# Altium PCB pcb solar tracker.PcbDoc (part 2 of 2)
Units mm, origin at the board's own origin, x right, y up, seen from the top; angles counter-clockwise.
Board outline 144.13 x 101.6 mm, 2 copper layers (Top Layer, Bottom Layer); 121 components, 66 nets, 351 pads, 602 vias.
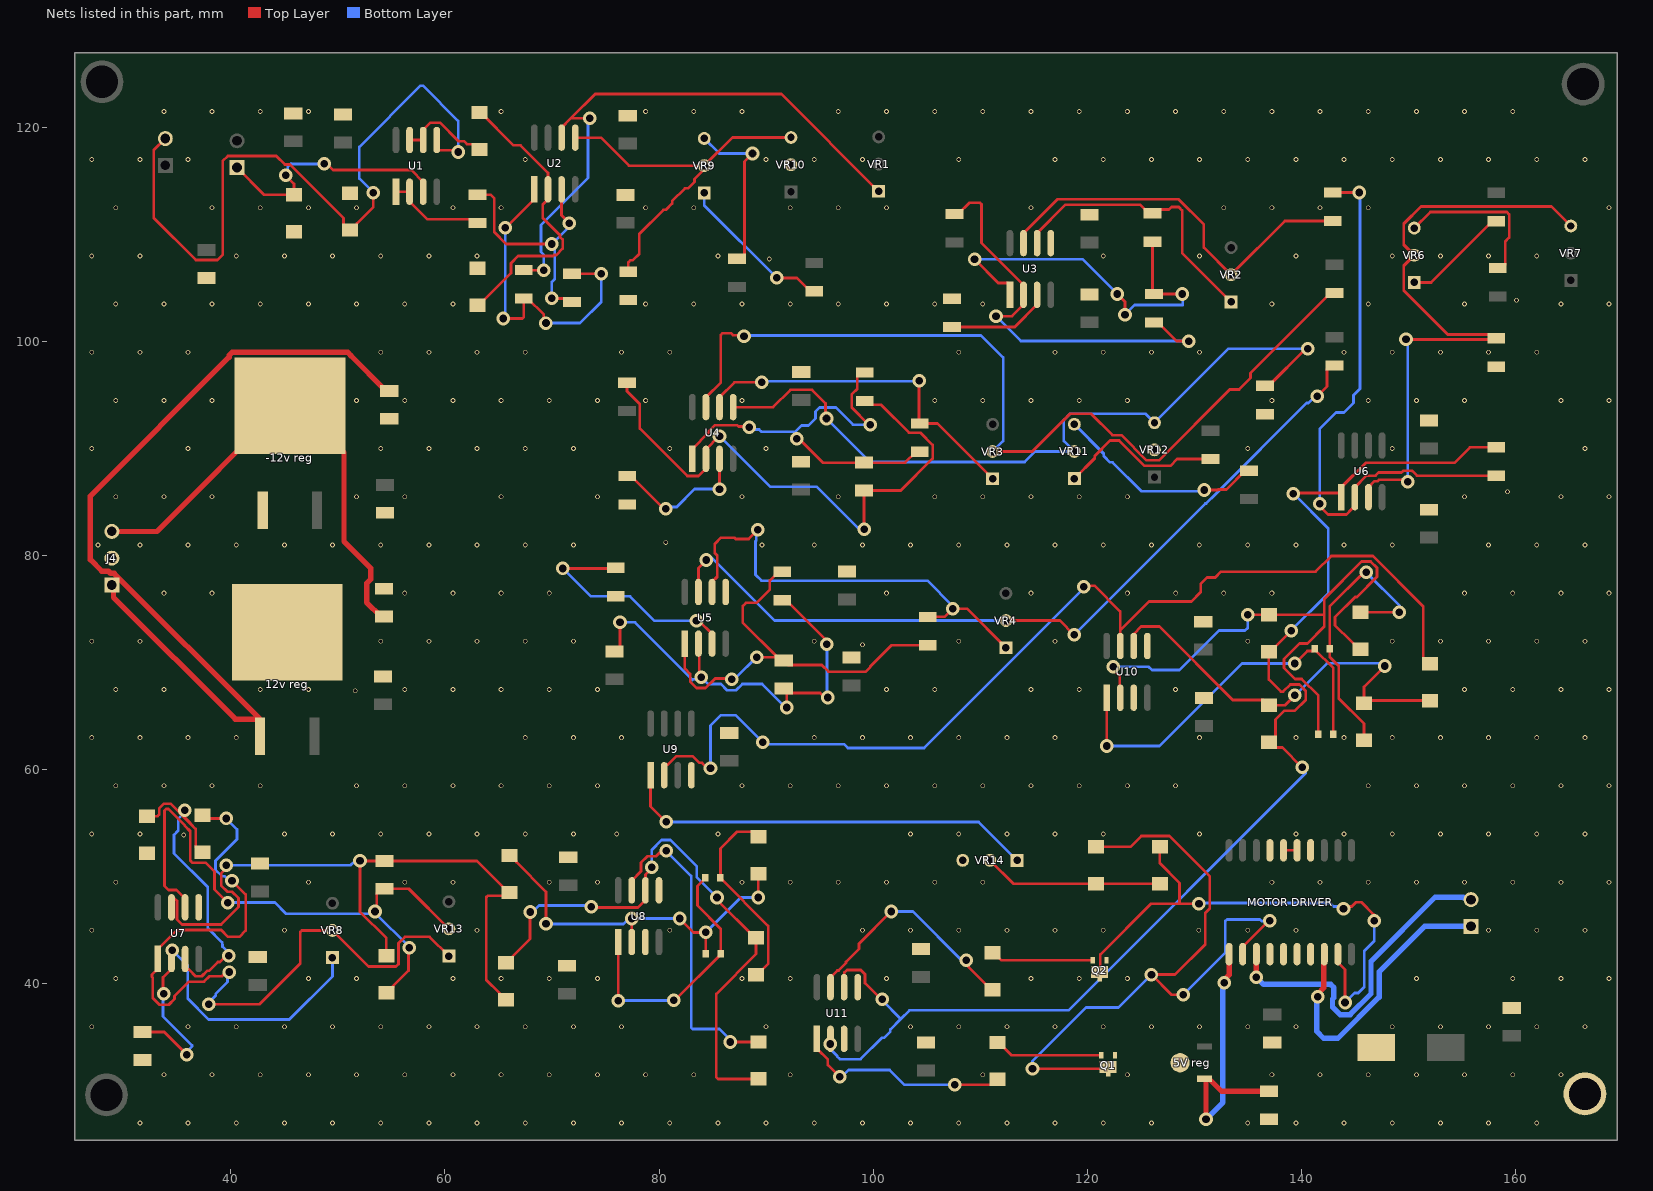
[diagram p2: the nets of this part, all layers, seen from the top]

## Via types
v1: diameter 0.45, hole 0.3, Top Layer to Bottom Layer, tented both sides, 454 vias
v2: diameter 1.27, hole 0.711, Top Layer to Bottom Layer, tented both sides, 145 vias
v3: diameter 1.27, hole 0.711, Top Layer to Bottom Layer, 3 vias

## Nets (pads, with @x,y where several pads share a name; then routed paths per layer and width w, separated by ;. In a path a pad name is that pad's centre, name@x,y a point inside that pad or via, vN(x,y) a via of type N, cw(c..) or ccw(c..) an arc to the next point about the centre after c; other vN are vias at no path point) (continued)
GND: "5V reg.2" "12v reg.4" "-12v reg.1" "C29 0.33uF.1" "C30 2.2uF.2" "C31 1uF.2" "C32 0.1uF.1" "C 100uF.1" "MOTOR DRIVER.4" "MOTOR DRIVER.5" "MOTOR DRIVER.6" "MOTOR DRIVER.7" "MOTOR DRIVER.14" "MOTOR DRIVER.15" "MOTOR DRIVER.16" "MOTOR DRIVER.17" C1.2 C2.2 C3.2 C4.2 C5.2 C6.2 C7.2 C8.2 C9.2 C10.2 C14.2 C15.2 C16.2 C17.2 C18.2 C19.2 C20.1 C22.2 C23.2 C24.2 C25.2 C26.2 C27.2 C28.1 C34.1 C35.1 J4.2 pad.7 Q1.2 Q2.2 R1.2 R2.1 R5.2 R8.2 R12.1 R13.1 R22.1 R25.1 R37.1 R40.1 U3.5 U5.5 U7.5 U8.3 U8.5 U9.4 U10.3 U10.5 U11.3 U11.5 VR10.2 VR12.2 VR14.3 | length 1.3
  Top Layer w0.254: 138.337,52.475 139.607,52.475
  other v1: 31.5,27 36,27 40.5,27 45,27 49.5,27 54,27 58.5,27 63,27 67.5,27 72,27 76.5,27 81,27 85.5,27 90,27 94.5,27 99,27 103.5,27 108,27 112.5,27 117,27 121.5,27 126,27 135,27 139.5,27 144,27 148.5,27 153,27 157.5,27 162,27 33.75,31.5 38.25,31.5 42.75,31.5 47.25,31.5 51.75,31.5 56.25,31.5 60.75,31.5 65.25,31.5 69.75,31.5 74.25,31.5 78.75,31.5 83.25,31.5 92.25,31.5 110.25,31.5 123.75,31.5 137.25,31.5 141.75,31.5 146.25,31.5 150.75,31.5 155.25,31.5 159.75,31.5 164.25,31.5 27,36 36,36 40.5,36 45,36 49.5,36 54,36 58.5,36 63,36 67.5,36 72,36 76.5,36 90,36 103.5,36 108,36 112.5,36 117,36 121.5,36 126,36 130.5,36 135,36 139.5,36 148.5,36 153,36 157.5,36 162,36 166.5,36 29.25,40.5 47.25,40.5 51.75,40.5 60.75,40.5 65.25,40.5 69.75,40.5 74.25,40.5 87.75,40.5 92.25,40.5 101.25,40.5 114.75,40.5 119.25,40.5 123.75,40.5 150.75,40.5 159.75,40.5 164.25,40.5 168.75,40.5 27,45 45,45 63,45 81,45 99,45 103.5,45 108,45 112.5,45 117,45 121.5,45 130.419,45 135,45 139.5,45 157.5,45 162,45 166.5,45 29.25,49.5 47.25,49.5 56.25,49.5 60.75,49.5 69.75,49.5 74.25,49.5 87.75,49.5 92.25,49.5 96.75,49.5 101.25,49.5 105.75,49.5 110.25,49.5 137.25,49.5 141.75,49.5 146.25,49.5 150.75,49.5 155.25,49.5 159.75,49.5 164.25,49.5 168.75,49.5 35.602,53.909 27,54 31.5,54 45,54 49.5,54 54,54 58.5,54 63,54 67.5,54 72,54 76.044,54 85.5,54 103.5,54 108,54 112.5,54 117,54 121.5,54 130.5,54 139.5,54 144,54 148.5,54 153,54 157.5,54 162,54 166.5,54 29.25,58.5 33.75,58.5 38.25,58.5 42.75,58.5 51.75,58.5 56.25,58.5 60.75,58.5 65.25,58.5 69.75,58.5 74.25,58.5 87.75,58.5 92.25,58.5 96.75,58.5 101.25,58.5 105.75,58.5 110.25,58.5 114.75,58.5 119.25,58.5 123.75,58.5 128.25,58.5 146.25,58.5 150.75,58.5 155.25,58.5 159.75,58.5 164.25,58.5 168.75,58.5 27,63 31.5,63 36,63 40.5,63 67.5,63 72,63 76.5,63 94.5,63 99,63 103.5,63 108,63 112.5,63 117,63 130.5,63 139.5,63 144,63 148.5,63 153,63 157.5,63 162,63 166.5,63 51.627,67.377 29.25,67.5 33.75,67.5 42.75,67.5 47.25,67.5 56.25,67.5 60.75,67.5 65.25,67.5 69.75,67.5 74.25,67.5 101.25,67.5 105.75,67.5 114.75,67.5 119.25,67.495 128.25,67.495 155.25,67.5 159.75,67.5 164.25,67.5 168.75,67.5 99.001,71.684 27,72 31.5,72 54,72 58.5,72 63,72 67.5,72 72,72 94.5,72 108,72 117,72 135,72 148.5,72 153,72 157.5,72 162,72 166.5,72 33.75,76.5 38.25,76.5 56.25,76.5 60.75,76.5 65.25,76.5 69.75,76.5 101.25,76.5 114.75,76.5 123.75,76.5 128.274,76.5 132.75,76.5 137.25,76.5 155.25,76.5 159.75,76.5 164.25,76.5 168.75,76.5 27.598,81 31.5,81 36,81 40.5,81 45,81 49.5,81 54,81 58.5,81 63,81 67.5,81 72,81 89.626,81 94.5,81 99,81 103.5,81 108,81 112.5,81 117,81 121.5,81 126,81 130.461,81 135,81 139.5,81 144,81 148.5,81 157.5,81 162,81 166.5,81 80.63,81.245 29.25,85.5 33.75,85.5 38.25,85.5 51.75,85.5 56.25,85.5 65.25,85.5 74.25,85.5 87.75,85.5 96.75,85.5 105.75,85.5 110.25,85.5 114.75,85.5 119.25,85.5 123.75,85.5 155.25,85.5 164.25,85.5 168.75,85.5 159.269,85.981 27,90 36,90 54,90 58.5,90 63,90 67.5,90 72,90 81,90 90,90 135,90 148.5,90 166.5,90 29.25,94.5 33.75,94.5 38.25,94.5 51.75,94.5 56.25,94.5 60.75,94.5 65.25,94.5 69.75,94.5 74.25,94.5 78.75,94.5 87.75,94.5 105.75,94.5 110.25,94.5 114.75,94.5 119.25,94.5 123.75,94.5 137.25,94.5 146.25,94.5 150.75,94.5 155.25,94.5 164.25,94.5 168.75,94.5 27,99 31.5,99 36,99 54,99 58.5,99 63,99 67.5,99 76.5,99 81,99 108,99 117,99 121.5,99 126,99 130.5,99 144,99 148.5,99 153,99 157.5,99 162,99 29.25,103.5 33.75,103.5 38.25,103.5 42.75,103.5 47.25,103.5 51.75,103.5 56.25,103.5 60.75,103.5 78.75,103.5 83.25,103.5 87.75,103.5 92.25,103.5 96.75,103.5 101.25,103.5 105.75,103.5 110.25,103.5 137.25,103.5 146.25,103.5 155.25,103.5 164.25,103.5 168.75,103.5 160.106,103.856 90.294,107.706 27,108 31.5,108 40.5,108 45,108 49.5,108 54,108 58.5,108 63,108 85.5,108 121.5,108 130.5,108 139.5,108 148.5,108 153,108 157.5,108 162,108 29.25,112.5 38.25,112.5 42.75,112.5 47.25,112.5 51.75,112.5 60.75,112.5 65.25,112.5 78.75,112.5 83.25,112.5 92.25,112.5 96.75,112.5 101.25,112.5 114.75,112.5 132.75,112.5 137.25,112.5 141.75,112.5 146.25,112.5 168.75,112.5 27,117 31.5,117 36,117 67.5,117 90,117 94.5,117 99,117 108,117 117,117 121.5,117 126,117 130.5,117 135,117 139.5,117 144,117 148.5,117 153,117 157.5,117 162,117 166.5,117 33.75,121.5 38.25,121.5 42.75,121.5 47.25,121.5 65.25,121.5 78.75,121.5 83.25,121.5 87.75,121.5 96.75,121.5 101.25,121.5 105.75,121.5 110.25,121.5 114.75,121.5 119.25,121.5 123.75,121.5 128.25,121.5 132.75,121.5 137.25,121.5 141.75,121.5 146.25,121.5 150.75,121.5 155.25,121.5 159.75,121.5
"KD OUT": R20.1 U5.7 VR4.2 | length 76.4
  Top Layer w0.254: U5.7@83.683,76.612 83.683,78.859 v2(84.419,79.596) ; VR4.2@112.406,73.941 117.441,73.941 v2(118.774,72.607) ; v2(141.49,94.898) 142.393,95.801 142.393,97.408 142.744,97.759 R20.1@143.095,97.759
  Bottom Layer w0.254: v2(84.419,79.596) 84.63,79.596 84.884,79.85 90.793,73.941 VR4.2@112.406,73.941 ; v2(118.774,72.607) 131.035,84.869 131.115,84.869 131.962,85.716 131.962,85.727 140.503,94.268 140.683,94.268 141.313,94.898 v2(141.49,94.898)
"KI OUT": R19.1 U4.7 VR3.2 | length 85.9
  Top Layer w0.254: U4.7@84.381,93.878 84.381,94.802 85.773,96.194 85.773,100.618 85.947,100.792 86.724,100.792 86.918,100.598 87.821,100.598 v2(87.934,100.484) ; VR3.2@111.164,89.731 114.866,89.731 118.391,93.257 120.366,93.257 122.363,91.26 123.195,91.26 125.551,88.904 126.693,88.904 133.313,95.525 134.191,95.525 135.256,96.59 135.256,97.049 142.744,104.537 R19.1@143.095,104.537
  Bottom Layer w0.254: v2(87.934,100.484) 88.021,100.571 110.088,100.571 112.145,98.514 112.145,90.712 VR3.2@111.164,89.731
"KP OUT": R15.1 U3.7 VR2.2 | length 37.4
  Top Layer w0.254: U3.7@114.051,109.201 114.051,110.124 117.223,113.296 128.541,113.296 130.899,110.939 130.899,108.782 VR2.2@133.438,106.243 138.467,111.272 R15.1@142.946,111.272
"Net5V reg_1": "5V reg.1" "MOTOR DRIVER.1" C35.2 | length 26.7
  Top Layer w0.254: v2(132.795,40.108) v2@132.795,40.376
  Top Layer w0.5: v2(131.095,27.338) 131.095,31.017 130.979,31.133 131.394,31.133 132.567,29.96 C35.2@136.989,29.96 ; v2@132.795,40.376 133.257,40.838 133.257,42.775
  Bottom Layer w0.5: v2(131.095,27.338) 132.672,28.915 132.672,39.985 v2(132.795,40.108)
"Net12v reg_1": "12v reg.1" "C29 0.33uF.2" J4.1 | length 84
  Top Layer w0.5: J4.1@28.882,77.266 29.041,77.108 29.041,76.109 40.414,64.735 42.371,64.735 ; 42.719,63.112 42.719,64.387 42.673,64.434 42.673,64.77 29.095,78.347 28.773,78.347 28.558,78.562 27.936,78.562 26.869,79.629 26.869,85.575 39.841,98.547 39.841,98.721 40.136,99.016 50.903,99.016 51.199,98.721 51.199,98.685 54.497,95.386 54.798,95.386
"Net-12v reg_4": "-12v reg.4" "C30 2.2uF.1" J4.3 | length 45.7
  Top Layer w0.5: J4.3@28.882,82.266 33.099,82.266 44.845,94.012 45.52,94.012 46.195,94.012 50.568,89.639 50.568,81.329 53.076,78.82 53.076,77.802 52.685,77.412 52.685,75.641 54.01,74.317 54.31,74.317
"NetC11 _1": C11.1 R10.2 R11.1 U4.2 | length 54.5
  Top Layer w0.254: R10.2@77.001,96.165 77.001,95.359 78.211,94.149 78.211,91.867 82.642,87.436 83.689,87.436 84.381,88.128 U4.2@84.381,89.051 84.381,89.94 85.616,91.175 v2(85.651,91.175) ; v2(99.154,82.454) C11.1@99.154,86.093 102.583,86.093 105.558,89.068 105.558,90.34 104.401,91.497 103.361,91.497 100.756,94.102 99.576,94.102 R11.1@99.225,94.453
  Bottom Layer w0.254: v2(85.651,91.175) 90.378,86.448 94.711,86.448 98.824,82.335 99.034,82.335 v2(99.154,82.454)
"NetC11 _2": C11.2 R11.2 R16.1 U4.1 | length 40.6
  Top Layer w0.254: U4.1@83.111,89.051 83.111,89.975 84.635,91.499 84.635,91.596 85.23,92.191 87.291,92.191 87.418,92.064 88.36,92.064 v2(88.434,91.99) ; v2(92.869,90.921) 93.068,90.921 95.295,88.695 95.646,88.695 C11.2@99.154,88.695 102.988,88.695 103.997,89.704 R16.1@104.348,89.704 ; R11.2@99.225,97.105 98.874,97.105 98.523,96.754 98.523,95.597 98.015,95.089 98.015,93.817 99.587,92.245 v2(99.715,92.245)
  Bottom Layer w0.254: v2(88.434,91.99) 88.628,91.796 89.357,91.796 89.577,91.576 92.729,91.576 ; v2(92.869,90.921) 92.729,91.061 92.729,91.576 ; v2(99.715,92.245) 98.128,92.245 96.537,93.835 94.989,93.835 94.611,93.458 94.611,92.82 93.956,92.165 93.318,92.165 92.746,91.593 92.729,91.576
"NetC12 _2": C12.2 C13.1 R14.1 U5.2 | length 42.5
  Top Layer w0.254: C12.2@75.844,71.058 75.928,71.058 76.353,71.483 v2(76.353,73.777) ; U5.2@83.683,71.785 83.753,71.714 v2@83.753,68.825 ; R14.1@91.517,75.847 91.869,75.847 95.587,72.128 95.587,71.82 v2(95.685,71.722) ; C13.1@91.656,67.602 C13.1@91.932,67.326 ; v2(91.932,65.82) C13.1@91.932,67.326 ; v2(95.751,66.751) 95.476,66.751 95.049,67.177 92.081,67.177 C13.1@91.932,67.326
  Bottom Layer w0.254: v2(76.353,73.777) 77.745,73.777 83.13,68.392 83.193,68.455 83.734,68.455 v2(83.929,68.65) 84.573,68.005 85.778,68.005 86.357,67.426 87.199,67.426 87.779,68.005 89.638,68.005 91.823,65.82 v2(91.932,65.82) ; v2(95.685,71.722) 95.685,66.849 95.751,66.783 v2(95.751,66.751)
"NetC13 _2": C13.2 R14.2 R18.1 U5.1 | length 40.8
  Top Layer w0.254: U5.1@82.413,71.785 82.413,69.447 82.913,68.947 82.913,68.229 83.508,67.634 84.349,67.634 85.251,68.536 86.684,68.536 v3(86.778,68.442) ; v3(89.129,70.511) C13.2@91.048,70.511 ; R14.2@91.517,78.499 91.166,78.499 90.355,77.688 90.355,76.837 89.114,75.596 88.132,75.596 87.829,75.293 87.829,73.729 C13.2@91.048,70.511 ; R18.1@105.115,71.63 101.729,71.63 99.72,69.621 99.72,69.564 99.322,69.167 95.816,69.167 95.204,69.779 92.081,69.779 C13.2@91.656,70.204 91.355,70.204 C13.2@91.048,70.511
  Bottom Layer w0.254: v3(86.778,68.442) 86.863,68.526 86.863,68.65 87.225,68.65 89.087,70.511 v3(89.129,70.511)
"NetC20 _2": C20.2 U7.2 VR8.1 | length 39.5
  Top Layer w0.254: C20.2@31.741,35.494 33.776,35.494 v2(35.88,33.39) ; v2(33.738,39.061) 33.653,39.146 33.653,40.605 34.451,41.403 U7.2@34.451,42.327 34.451,43.151 34.454,43.153 v2(34.521,43.153)
  Bottom Layer w0.254: v2(33.738,39.061) 33.653,38.976 33.653,36.966 36.382,34.237 36.382,34.167 35.88,33.665 v2(35.88,33.39) ; v2(34.521,43.153) 35.981,41.693 35.981,38.611 37.923,36.669 45.456,36.669 49.487,40.7 VR8.1@49.487,42.45
"NetC21 _1": C21.1 R27.1 U7.6 VR13.2 | length 56.8
  Top Layer w0.254: U7.6@35.721,47.154 35.721,47.978 34.929,48.77 34.186,48.77 33.805,49.151 33.805,56.178 33.954,56.327 34.164,56.327 35.7,54.792 35.7,54.767 36.208,54.259 36.208,51.527 36.431,51.304 37.658,51.304 38.473,50.49 38.473,48.824 v2(39.706,47.591) ; v2(53.466,46.763) 53.626,46.922 53.626,48.46 54.051,48.886 C21.1@54.352,48.886 56.619,48.886 VR13.2@60.368,45.137 ; R27.1@54.526,39.169 54.651,39.169 55.149,39.667 55.149,39.792 56.592,41.235 56.592,43.294 v2(56.673,43.375)
  Bottom Layer w0.254: v2(39.706,47.591) 44.106,47.591 45.148,46.549 53.177,46.549 53.39,46.763 v2(53.466,46.763) 53.466,46.632 56.673,43.425 v2(56.673,43.375)
"NetC21 _2": C21.2 R27.2 R28.1 R32.1 U7.7 | length 65.5
  Top Layer w0.254: U7.7@34.451,47.154 34.451,48.262 34.959,47.754 34.959,46.014 35.434,45.538 39.09,45.538 40.722,47.17 40.722,48.012 40.126,48.607 39.688,48.607 39.092,49.202 39.092,50.312 39.583,50.802 v2(39.583,51.077) ; R27.2@54.526,42.619 54.526,44.266 52.064,46.728 v2(52.064,51.487) C21.2@54.352,51.487 62.974,51.487 65.925,48.537 65.627,48.238 64.007,48.238 63.858,48.09 63.858,40.367 65.092,39.133 65.092,39.008 65.59,38.51 R32.1@65.715,38.51
  Bottom Layer w0.254: v2(39.583,51.077) 51.18,51.077 51.59,51.487 v2(52.064,51.487)
NetD1_1: D1.1 R28.2 R29.1 U8.2 | length 36.2
  Top Layer w0.254: R28.2@66.05,51.987 66.175,51.987 66.673,51.489 66.673,51.364 69.437,48.6 v2(69.437,45.598) ; U8.2@77.457,43.912 v2(77.457,46.107) ; v2(81.925,46.107) 83.229,44.804 v2(84.367,44.804) v2(84.367,44.804) 84.365,42.799 D1.1@84.364,42.798 ; v2(89.273,48.068) R29.1@89.273,50.298
  Bottom Layer w0.254: v2(69.437,45.598) 76.673,45.598 77.182,46.107 v2(77.457,46.107) v2(81.925,46.107) ; v2(84.367,44.804) 87.631,48.068 v2(89.273,48.068)
NetD1_2: D1.2 D2.1 U8.1 | length 25.3
  Top Layer w0.254: U8.1@76.187,43.912 76.189,43.909 76.189,38.42 v2(76.192,38.417) ; v2(81.358,38.474) 81.491,38.474 85.764,42.748 D1.2@85.764,42.798 85.764,45.14 83.59,47.315 83.59,49.135 84.333,49.878 D2.1@84.333,49.928
  Bottom Layer w0.254: v2(76.192,38.417) 76.22,38.446 81.329,38.446 v2(81.358,38.474)
NetD2_2: D2.2 R29.2 R30.1 | length 18.6
  Top Layer w0.254: R30.1@89.067,40.867 89.192,40.867 90.198,41.873 90.198,45.413 85.733,49.878 D2.2@85.733,49.928 85.733,52.654 87.286,54.207 88.815,54.207 R29.2@89.273,53.748
NetD3_1: D3.1 R34.1 R43.2 U10.2 | length 59.1
  Top Layer w0.254: v2(122.448,69.619) 122.448,69.352 123.034,68.767 123.034,66.988 U10.2@123.083,66.938 ; v2(134.998,74.471) R43.2@136.964,74.471 142.142,74.471 ; D3.1@141.59,63.304 141.476,63.304 141.59,63.418 141.59,66.92 140.03,68.48 139.409,68.48 138.384,69.505 138.384,70.347 139.834,71.797 140.57,71.797 142.142,73.37 142.142,74.471 ; R34.1@145.518,71.263 145.393,71.263 144.636,72.02 143.158,73.497 143.158,74.267 145.039,76.148 145.191,76.148 147.072,78.029 147.072,78.87 146.477,79.466 145.635,79.466 142.142,75.973 142.142,74.471
  Bottom Layer w0.254: v2(122.448,69.619) 125.752,69.619 126.059,69.312 128.627,69.312 132.322,73.007 134.741,73.007 134.998,73.263 v2(134.998,74.471)
NetD3_2: D3.2 D4.1 U10.1 | length 36.6
  Top Layer w0.254: v2(121.813,62.218) U10.1@121.813,66.938 ; v2(139.4,69.926) 140.569,71.095 141.077,71.095 D4.1@141.25,71.268 ; D4.1@141.25,71.289 D4.1@141.25,71.268 ; D3.2@142.99,63.304 142.99,69.499 141.25,71.239 D4.1@141.25,71.268
  Bottom Layer w0.254: v2(121.813,62.218) 126.753,62.218 134.461,69.926 v2(139.4,69.926)
NetD4_2: D4.2 R34.2 R41.1 | length 27.2
  Top Layer w0.254: R34.2@145.518,74.713 v2(149.153,74.713) ; R41.1@145.858,62.768 145.858,64.304 143.498,66.664 143.498,69.709 142.65,70.557 D4.2@142.65,71.289 142.65,75.26 145.84,78.45 v2(146.056,78.45)
  Bottom Layer w0.254: v2(146.056,78.45) 149.209,75.297 149.209,74.768 v2(149.153,74.713)
NetJ1_2: J1.2 R1.1 U1.5 | length 68.2
  Top Layer w0.254: J1.2@33.876,118.968 32.795,117.887 32.795,111.549 36.723,107.621 38.745,107.621 39.231,108.106 39.231,116.855 39.716,117.34 44.243,117.34 45.038,116.545 45.533,116.545 50.527,111.55 50.527,110.923 51.025,110.425 R1.1@51.15,110.425 ; R1.1@51.275,110.425 51.773,110.923 51.773,111.048 53.313,112.588 v2(53.313,113.915) ; U1.5@59.234,118.833 59.234,118.045 59.404,117.875 61.072,117.875 v2(61.233,117.713)
  Bottom Layer w0.254: v2(53.313,113.915) 52.003,115.225 52.003,118.183 57.731,123.911 57.942,123.911 61.233,120.619 v2(61.233,117.713)
NetJ2_1: J2.1 R2.2 U1.3 | length 23.8
  Top Layer w0.254: J2.1@40.574,116.259 43.118,113.715 R2.2@45.901,113.715 45.901,114.739 v2(45.112,115.529) ; v2(48.721,116.597) 48.996,116.597 49.557,116.037 56.857,116.037 57.964,114.929 U1.3@57.964,114.006
  Bottom Layer w0.254: v2(45.112,115.529) 45.306,115.723 45.306,116.332 45.609,116.635 45.647,116.597 v2(48.721,116.597)
NetJ3_1: "MOTOR DRIVER.8" J3.1 | length 27.9
  Top Layer w0.5: v2(141.537,38.81) 141.537,39.073 142.086,39.622 142.086,42.714 142.147,42.775
  Bottom Layer w0.5: v2(141.537,38.81) 141.455,38.728 141.455,35.547 142.086,34.916 143.424,34.916 147.269,38.761 147.269,41.125 151.519,45.375 155.851,45.375 J3.1@155.857,45.369
NetJ3_2: "MOTOR DRIVER.3" J3.2 | length 31.3
  Top Layer w0.5: v2(135.797,40.601) 135.797,42.775
  Bottom Layer w0.5: v2(135.797,40.601) 135.823,40.601 136.475,39.949 142.747,39.949 143.04,39.656 143.04,38.703 142.916,38.578 142.916,37.819 143.617,37.118 144.56,37.118 146.515,39.073 146.515,42.107 152.499,48.091 155.115,48.091 155.164,48.041 155.685,48.041 J3.2@155.857,47.869
"NetMOTOR DRIVER_2": "MOTOR DRIVER.2" Q1.3 Q1.4 R46.2 | length 68.6
  Top Layer w0.254: v2(114.886,32.067) 121.791,32.067 Q1.4@121.956,32.232 ; R46.2@120.802,52.8 124.055,52.8 125.061,53.806 127.69,53.806 131.455,50.04 131.455,47.065 131.025,46.635 131.025,43.688 128.201,40.864 v2(126.002,40.864) 127.896,38.969 v2(128.955,38.969) ; 134.401,42.775 134.527,42.775 134.527,43.431 136.998,45.902 v2(137.067,45.902)
  Bottom Layer w0.254: v2(114.886,32.067) 114.886,32.787 119.884,37.785 122.923,37.785 v2(126.002,40.864) ; v2(128.955,38.969) 132.903,42.917 132.903,45.862 133.051,46.01 136.147,46.01 136.31,45.848 137.013,45.848 v2(137.067,45.902)
"NetMOTOR DRIVER_9": "MOTOR DRIVER.9" Q2.3 Q2.4 R47.2 | length 51.3
  Top Layer w0.254: Q2.3@121.159,40.375 Q2.4@121.159,41.1 121.228,41.169 121.228,42.736 125.977,47.485 128.629,47.485 ; R47.2@126.782,52.8 126.782,51.264 128.629,49.417 128.629,47.485 ; v2(130.439,47.485) 128.629,47.485 ; 143.417,42.775 143.417,42.006 144.088,41.334 v2(144.088,38.257) ; v2(143.945,47.03) 144.139,47.224 144.715,47.224 145.115,47.625 145.626,47.625 146.758,46.492 146.758,45.928 v2(146.803,45.883)
  Bottom Layer w0.254: v2(130.439,47.485) 130.509,47.555 142.679,47.555 143.01,47.224 143.751,47.224 v2(143.945,47.03) ; v2(144.088,38.257) 144.971,39.14 145.319,39.14 145.884,39.705 145.884,43.062 146.803,43.981 v2(146.803,45.883)
NetQ1_1: Q1.1 R44.2 | length 10.2
  Top Layer w0.254: R44.2@111.608,34.525 111.733,34.525 112.927,33.332 Q1.1@121.306,33.332
NetQ2_1: Q2.1 R45.2 | length 9.7
  Top Layer w0.254: R45.2@111.142,42.91 111.267,42.91 111.978,42.2 Q2.1@120.509,42.2
"NetR3 _1": R3.1 U1.1 U1.2 | length 9.4
  Top Layer w0.254: U1.1@55.424,114.006 U1.2@56.694,114.006 56.694,113.082 58.352,111.425 62.692,111.425 R3.1@63.043,111.074
"NetR3 _2": R3.2 R48.1 U2.3 | length 24.1
  Top Layer w0.254: R3.2@63.043,113.726 64.254,113.726 64.618,113.362 64.618,110.218 65.722,109.113 v2(69.984,109.113) ; v2(69.984,104.034) 71.528,104.034 R48.1@71.874,103.687 ; U2.3@70.897,114.229 70.897,111.802 71.603,111.095 v2(71.603,111.072)
  Bottom Layer w0.254: v2(69.984,104.034) 69.984,105.561 70.257,105.834 70.257,108.565 69.984,108.838 v2(69.984,109.113) 71.453,110.582 71.453,110.923 v2(71.603,111.072) v2(71.603,111.072)
"NetR4 _1": R4.1 U1.6 U1.7 | length 8.8
  Top Layer w0.254: U1.7@56.694,118.833 U1.6@57.964,118.833 57.964,119.756 58.656,120.449 59.521,120.449 61.24,118.729 61.775,118.729 62.059,118.445 62.719,118.445 R4.1@63.217,117.947
"NetR4 _2": R4.2 R5.1 U2.2 | length 27.5
  Top Layer w0.254: R5.1@63.043,103.403 63.168,103.403 66.162,106.396 66.162,107.322 66.83,107.99 70.079,107.99 70.187,108.097 70.405,108.097 71,108.693 71,109.534 70.748,109.787 70.748,109.932 69.137,111.543 69.137,112.816 69.627,113.306 69.627,115.762 67.058,118.331 66.408,118.331 63.342,121.397 R4.2@63.217,121.397
"NetR6 _1": R6.1 R48.2 U2.1 | length 31.7
  Top Layer w0.254: v2(65.463,102.153) 67.223,102.153 67.372,102.302 R6.1@67.372,104.034 67.723,104.034 69.241,102.516 69.241,101.927 v2(69.436,101.732) ; v2(65.634,110.639) 65.69,110.639 68.357,113.306 U2.1@68.357,114.229 ; R48.2@71.874,106.34 v2(74.604,106.34)
  Bottom Layer w0.254: v2(65.463,102.153) 65.634,102.324 v2(65.634,110.639) ; v2(69.436,101.732) 72.623,101.732 74.604,103.713 v2(74.604,106.34)
"NetR6 _2": R6.2 U2.6 VR1.1 | length 55.4
  Top Layer w0.254: R6.2@67.372,106.686 67.393,106.665 v2(69.241,106.665) ; U2.6@70.897,119.057 70.897,119.98 71.787,120.87 ; v2(73.518,120.87) 71.787,120.87 ; VR1.1@100.517,114.042 91.436,123.122 74.039,123.122 71.787,120.87
  Bottom Layer w0.254: v2(69.241,106.665) 69.241,108.101 68.968,108.374 68.968,110.895 73.364,115.291 73.364,120.721 73.513,120.87 v2(73.518,120.87)
"NetR7 _2": R7.2 R9.1 U3.2 | length 40
  Top Layer w0.254: R7.2@107.592,111.908 107.943,111.908 109.003,112.968 109.976,112.968 110.125,112.819 110.125,109.223 114.051,105.297 U3.2@114.051,104.374 114.051,103.45 112.973,102.372 v2(111.482,102.372) ; R9.1@126.25,101.792 126.601,101.792 128.343,100.05 v2(129.494,100.05)
  Bottom Layer w0.254: v2(111.482,102.372) 113.804,100.05 v2(129.494,100.05)
"NetR8 _1": R8.1 U3.3 | length 9.7
  Top Layer w0.254: R8.1@107.366,101.36 111.057,101.36 111.061,101.356 111.903,101.356 111.907,101.36 113.231,101.36 115.321,103.45 U3.3@115.321,104.374
"NetR9 _2": R9.2 R17.1 U3.1 | length 36.5
  Top Layer w0.254: v2(109.476,107.697) 111.692,105.481 112.597,105.481 112.781,105.297 U3.1@112.781,104.374 ; v2(122.814,104.444) 122.814,104.437 123.528,103.722 v2(123.528,102.519) ; R17.1@126.098,109.33 126.098,104.596 R9.2@126.25,104.444 v2(128.869,104.444)
  Bottom Layer w0.254: v2(109.476,107.697) 119.56,107.697 v2(122.814,104.444) ; v2(123.528,102.519) 124.428,103.418 128.926,103.418 128.926,104.387 v2(128.869,104.444)
"NetR12 _2": R12.2 U4.3 | length 13.5
  Top Layer w0.254: R12.2@77.034,87.439 77.385,87.439 80.451,84.372 v2(80.636,84.372) ; v2(85.651,86.219) U4.3@85.651,89.051
  Bottom Layer w0.254: v2(80.636,84.372) 80.813,84.55 81.652,84.55 83.321,86.219 v2(85.651,86.219)
"NetR13 _2": R13.2 U5.3 | length 22.4
  Top Layer w0.254: v2(71.019,78.808) 75.903,78.808 R13.2@75.965,78.869 ; v2(83.503,73.915) 83.746,73.915 84.953,72.708 U5.3@84.953,71.785
  Bottom Layer w0.254: v2(71.019,78.808) 73.627,76.2 77.285,76.2 79.57,73.915 v2(83.503,73.915)
"NetR15  _2": R15.2 R21.1 U6.2 | length 53.5
  Top Layer w0.254: v2(141.715,84.835) 141.715,84.643 142.507,83.851 144.204,83.851 144.712,84.359 144.721,84.359 145.005,84.643 U6.2@145.005,85.467 145.005,86.39 146.088,87.473 146.931,87.473 147.225,87.768 149.364,87.768 149.523,87.927 150.365,87.927 150.525,87.768 150.819,87.473 R21.1@158.213,87.473 ; R15.2@142.946,113.925 v2(145.403,113.925)
  Bottom Layer w0.254: v2(141.715,84.835) 141.715,91.832 143.257,93.374 143.975,93.374 144.868,94.267 144.868,94.985 145.476,95.593 145.476,113.852 v2(145.403,113.925)
"NetR16 _2": R16.2 U4.6 VR3.1 | length 33.1
  Top Layer w0.254: U4.6@85.651,93.878 85.651,94.802 87.043,96.194 v2(89.582,96.194) ; v2(104.292,96.328) 104.292,92.412 R16.2@104.348,92.356 105.999,92.356 VR3.1@111.164,87.191
  Bottom Layer w0.254: v2(89.582,96.194) 89.677,96.289 104.253,96.289 v2(104.292,96.328)
"NetR17 _2": R17.2 U3.6 VR2.1 | length 26.7
  Top Layer w0.254: U3.6@115.321,109.201 115.321,110.124 117.985,112.788 124.941,112.788 125.747,111.982 R17.2@126.098,111.982 126.449,112.333 127.645,112.333 127.876,112.565 128.554,112.565 128.869,112.25 128.869,108.272 VR2.1@133.438,103.703
"NetR18 _2": R18.2 U5.6 VR4.1 | length 42.7
  Top Layer w0.254: U5.6@84.953,76.612 84.953,77.549 85.435,78.032 85.435,80.017 85.207,80.245 85.207,81.087 85.802,81.682 87.037,81.682 87.16,81.559 88.371,81.559 89.216,82.404 v2(89.216,82.426) ; R18.2@105.115,74.282 106.669,74.282 v2(107.434,75.047) 108.759,75.047 VR4.1@112.406,71.401
  Bottom Layer w0.254: v2(89.216,82.426) 89.078,82.288 89.078,81.41 89.02,81.352 89.02,78.222 89.577,77.665 105.086,77.665 107.434,75.317 v2(107.434,75.047)
"NetR22 _2": R22.2 U6.3 VR6.2 VR7.3 | length 61.4
  Top Layer w0.254: U6.3@146.275,85.467 146.275,86.39 146.85,86.965 147.141,86.965 147.258,87.082 149.773,87.082 v2(149.944,86.911) ; v2(149.779,100.203) 158.112,100.203 R22.2@158.213,100.304 157.862,100.655 153.682,100.655 149.571,104.766 149.571,107.083 VR6.2@150.552,108.064 149.571,109.045 149.571,111.011 151.179,112.618 163.364,112.618 VR7.3@165.183,110.799
  Bottom Layer w0.254: v2(149.779,100.203) 149.941,100.04 149.941,86.914 v2(149.944,86.911)
"NetR23 _2": R23.2 VR6.3 | length 15.3
  Top Layer w0.254: VR6.3@150.552,110.604 152.058,112.11 159.2,112.11 159.423,111.887 159.423,109.733 159.065,109.374 159.065,107.22 158.652,106.807 158.363,106.807 R23.2@158.363,106.869
"NetR24 _1": R24.1 VR6.1 | length 10
  Top Layer w0.254: VR6.1@150.552,105.524 152.135,105.524 157.862,111.251 R24.1@158.213,111.251
"NetR25 _2": R25.2 R26.1 U7.3 | length 31.5
  Top Layer w0.254: R25.2@32.166,55.646 32.186,55.665 33.148,55.665 33.297,55.814 33.297,56.389 33.743,56.835 34.375,56.835 36.208,55.002 36.208,54.977 36.716,54.469 36.716,53.961 36.716,52.808 37.214,52.31 R26.1@37.339,52.31 ; v2@35.34,55.87 v2(35.7,56.229) ; U7.3@35.721,42.327 35.721,41.503 35.891,41.333 36.083,41.333 36.704,40.711 37.278,40.711 37.786,41.219 37.965,41.219 38.786,42.039 38.965,42.039 39.552,42.626 v2(39.815,42.626)
  Bottom Layer w0.254: v2(35.7,56.229) 35.7,56.029 35.081,55.41 35.081,54.306 34.697,53.922 34.697,52.178 37.841,49.033 37.841,45.212 39.19,43.864 39.19,43.684 39.223,43.651 39.223,43.471 39.815,42.88 v2(39.815,42.626)
"NetR26 _2": R26.2 U7.1 VR8.2 VR13.1 | length 73.9
  Top Layer w0.254: R26.2@37.339,55.76 37.647,55.452 v2(39.563,55.452) ; v2(37.932,38.097) 42.662,38.097 46.484,41.919 46.484,44.841 46.633,44.99 VR8.2@49.487,44.99 52.864,41.613 55.434,41.613 55.657,41.837 55.657,43.796 56.252,44.391 58.574,44.391 VR13.1@60.368,42.597 ; v2(39.839,41.103) 39.564,41.103 39.173,40.711 37.996,40.711 37.488,40.203 36.073,40.203 34.742,38.872 34.742,38.591 34.197,38.045 33.317,38.045 32.71,38.652 32.71,40.565 32.637,40.638 32.637,40.859 33.181,41.403 33.181,43.25 34.961,45.03 39.105,45.03 39.739,44.396 40.79,44.396 41.385,44.992 41.385,48.347 v2(40.108,49.623)
  Bottom Layer w0.254: v2(37.932,38.097) 37.932,38.244 38.577,38.889 38.577,39.069 39.691,40.183 39.691,40.954 v2(39.839,41.103) ; v2(39.563,55.452) 40.579,54.436 40.579,53.511 38.567,51.498 38.567,50.656 39.162,50.061 39.395,50.061 39.833,49.623 v2(40.108,49.623)
"NetR30 _2": R30.2 R31.1 R32.2 U8.6 | length 55.3
  Top Layer w0.254: R32.2@65.715,41.96 65.84,41.96 66.338,42.458 66.338,42.583 67.956,44.2 v2(67.956,46.716) ; v2(73.656,47.212) 73.745,47.123 78.035,47.123 78.727,47.816 U8.6@78.727,48.739 78.727,50.214 79.332,50.819 v2(79.332,50.906) ; v2(85.417,48.068) 85.417,47.842 88.942,44.317 R30.2@89.067,44.317 89.067,42.781 85.356,39.069 85.356,31.266 85.505,31.117 R31.1@89.273,31.117
  Bottom Layer w0.254: v2(67.956,46.716) 68.195,46.716 68.794,47.315 73.553,47.315 v2(73.656,47.212) ; v2(79.332,50.906) 79.332,52.529 80.236,53.433 81.078,53.433 83.512,50.999 83.512,49.972 v2(85.417,48.068)
"NetR33 _2": R33.2 R41.2 R42.1 U10.6 | length 40
  Top Layer w0.254: U10.6@124.353,71.766 124.353,72.689 125.045,73.381 126.74,73.381 133.596,66.525 136.466,66.525 R33.2@136.964,66.027 138.471,66.027 v2(139.399,66.956) ; v2(147.804,69.695) 145.858,67.749 R41.2@145.858,66.218 146.102,66.462 R42.1@152.014,66.462
  Bottom Layer w0.254: v2(139.399,66.956) 142.388,69.944 147.655,69.944 147.804,69.795 v2(147.804,69.695)
"NetR35 _2": R35.2 VR9.3 | length 15.8
  Top Layer w0.254: R35.2@87.28,107.742 87.631,107.742 87.982,108.093 87.982,116.819 v2(88.733,117.57)
  Bottom Layer w0.254: VR9.3@84.225,119.062 VR9.3@84.225,118.977 85.632,117.57 v2(88.733,117.57)
"NetR36 _1": R36.1 VR9.1 | length 14.8
  Top Layer w0.254: v2(91.005,105.948) 92.898,105.948 94.147,104.699 R36.1@94.498,104.699
  Bottom Layer w0.254: VR9.1@84.225,113.897 84.225,112.729 v2(91.005,105.948)
"NetR37  _2": R37.2 U2.5 VR9.2 VR10.3 | length 35.6
  Top Layer w0.254: U2.5@72.167,119.057 74.572,119.057 77.191,116.437 VR9.2@84.225,116.437 ; R37.2@77.135,106.532 77.135,107.391 77.352,107.608 77.556,107.608 78.151,108.203 78.151,110.042 80.414,112.305 80.629,112.305 81.224,112.9 81.224,113.115 82.425,114.316 82.71,114.316 83.305,114.911 83.305,115.196 84.044,115.934 84.044,116.256 VR9.2@84.225,116.437 ; VR10.3@92.328,119.068 86.856,119.068 VR9.2@84.225,116.437
"NetR38 _2": R38.2 VR11.3 | length 19.8
  Top Layer w0.254: v2(130.946,86.136) 132.187,86.136 132.235,86.185 133.007,86.185 134.762,87.94 R38.2@135.113,87.94
  Bottom Layer w0.254: VR11.3@118.798,92.276 121.548,89.525 121.548,89.315 122.143,88.72 122.354,88.72 125.048,86.026 130.836,86.026 v2(130.946,86.136)
"NetR39 _1": R39.1 VR11.1 | length 15.6
  Top Layer w0.254: VR11.1@118.798,87.196 120.707,89.105 120.707,89.315 122.143,90.752 122.985,90.752 125.34,88.396 127.763,88.396 128.396,89.029 R39.1@131.52,89.029
"NetR40  _2": R40.2 U4.5 VR11.2 VR12.3 | length 71.5
  Top Layer w0.254: U4.5@86.921,93.878 90.663,93.878 92.276,95.492 94.298,95.492 95.559,94.231 95.559,92.907 v2(95.646,92.819) ; R40.2@136.609,95.873 136.96,95.873 140.427,99.339 v2(140.594,99.339)
  Bottom Layer w0.254: v2(95.646,92.819) 99.715,88.75 114.157,88.75 115.142,89.736 VR11.2@118.798,89.736 117.817,90.717 117.817,92.682 118.391,93.257 125.455,93.257 VR12.3@126.287,92.425 133.2,99.339 v2(140.594,99.339)
"NetR44  _1": R44.1 U11.1 | length 20.2
  Top Layer w0.254: U11.1@94.748,34.861 94.748,33.938 95.766,32.92 95.766,32.429 96.865,31.329 v2(96.889,31.329) ; v2(107.637,30.57) 109.542,30.57 109.549,30.577 111.11,30.577 R44.1@111.608,31.075
  Bottom Layer w0.254: v2(96.889,31.329) 97.077,31.329 97.702,31.954 101.549,31.954 102.933,30.57 v2(107.637,30.57)
"NetR45  _1": R45.1 U11.7 | length 22.3
  Top Layer w0.254: U11.7@96.018,39.689 96.018,40.612 96.654,41.249 96.778,41.249 97.472,41.942 97.472,42.061 98.68,43.27 98.68,43.749 v2(101.687,46.756) ; v2(108.716,42.2) 108.91,42.005 108.91,41.567 111.017,39.46 R45.1@111.142,39.46
  Bottom Layer w0.254: v2(101.687,46.756) 103.718,46.756 108.327,42.146 108.663,42.146 v2(108.716,42.2)
"NetR46 _1": R46.1 R47.1 VR14.2 | length 16.8
  Top Layer w0.254: VR14.2@110.912,51.54 113.102,49.35 R46.1@120.802,49.35 R47.1@126.782,49.35
"PID output": R21.2 R33.1 R43.1 U6.1 U11.2 U11.6 | length 124.3
  Top Layer w0.254: v2(96.008,34.379) 96.018,34.389 U11.2@96.018,34.861 ; U11.6@97.288,39.689 97.309,39.71 97.309,41.061 97.552,41.304 98.844,41.304 99.25,40.899 99.25,40.063 100.742,38.571 v2(100.866,38.571) ; v2(139.05,72.976) 139.045,72.976 137.089,71.021 R43.1@136.964,71.021 136.964,68.425 138.093,67.297 138.303,67.297 138.978,67.972 139.82,67.972 140.415,67.376 140.415,66.535 139.4,65.519 138.417,65.519 137.587,64.689 137.587,63.075 137.089,62.577 R33.1@136.964,62.577 137.462,62.079 138.236,62.079 v2(140.084,60.232) ; v2(139.265,85.802) 139.314,85.851 143.551,85.851 143.735,86.035 143.735,86.39 146.023,88.678 154.295,88.678 155.743,90.126 R21.2@158.213,90.126
  Bottom Layer w0.254: v2(96.008,34.379) 96.088,34.3 96.088,33.835 96.641,33.282 96.641,33.23 96.902,32.97 98.825,32.97 100.808,34.953 101.014,34.953 101.61,35.548 101.61,35.755 102.584,36.729 ; v2(100.866,38.571) 100.866,38.447 102.584,36.729 ; v2(139.05,72.976) 139.05,73.007 142.517,76.474 142.517,82.549 v2(139.265,85.802) ; v2(140.084,60.232) 140.084,60.021 140.415,59.691 118.248,37.524 103.379,37.524 102.584,36.729
"PID rect": R42.2 U9.2 U10.7 | length 99.9
  Top Layer w0.254: U9.2@80.48,59.49 80.48,60.313 80.65,60.483 80.842,60.483 81.632,61.274 83.138,61.274 83.769,60.643 84.026,60.643 84.534,60.135 v3(84.809,60.135) ; v2(119.672,77.086) 119.786,77.2 120.672,77.2 123.083,74.789 123.083,73.024 ; U10.7@123.083,71.56 123.083,71.766 123.083,72.689 123.083,73.024 ; R42.2@152.014,69.912 151.889,69.912 151.391,70.41 151.391,75.27 146.687,79.974 142.809,79.974 141.339,78.504 132.512,78.504 131.962,77.953 131.19,77.953 130.595,77.358 130.595,76.586 129.727,75.719 125.778,75.719 123.083,73.024
  Bottom Layer w0.254: v3(84.809,60.135) 84.809,64.133 85.778,65.102 87.158,65.102 89.866,62.394 97.27,62.394 97.639,62.025 104.769,62.025 119.672,76.929 v2(119.672,77.086)
  other v2: 89.707,62.553
"PWM signal": U9.1 VR14.1 | length 39.2
  Top Layer w0.254: U9.1@79.21,59.49 79.21,56.575 v2(80.657,55.129)
  Bottom Layer w0.254: v2(80.657,55.129) 109.864,55.129 VR14.1@113.452,51.54
TRIA: R31.2 U8.7 | length 30.1
  Top Layer w0.254: U8.7@77.457,48.739 77.457,49.663 78.316,50.521 78.316,51.327 78.911,51.922 79.717,51.922 80.017,52.223 80.462,52.223 v2(80.657,52.417) ; v2(86.666,34.567) R31.2@89.273,34.567
  Bottom Layer w0.254: v2(80.657,52.417) 83.004,50.07 83.004,35.926 83.153,35.778 85.644,35.778 86.666,34.756 v2(86.666,34.567)
pads on no net: "MOTOR DRIVER.11" "MOTOR DRIVER.12" "MOTOR DRIVER.13" "MOTOR DRIVER.18" "MOTOR DRIVER.19" R19.2 R20.2 U6.5 U6.6 U6.7 U9.3 U9.5 U9.6 U9.7 VR1.3 VR2.3 VR3.3 VR4.3 VR7.1 VR7.2 VR8.3 VR10.1 VR12.1 VR13.3

## Polygon pours and split planes (outlines as drawn)
GND on Top Layer "GND_L01_P001" (solid, pour order 1): 25.4,25.4 169.533,25.4 169.533,127 25.4,127
GND on Bottom Layer "GND_L02_P000" (solid, pour order 0): 25.4,25.4 169.533,25.4 169.533,127 25.4,127

## Other copper
Multi-Layer:

## Silkscreen, mask and mechanical layers (free items; w line width, h text height)
Top Overlay:
  drawing of 128 lines, arcs and shapes, not listed
  text "Adder" at 148.127,118.243 h3
  text "Error" at 45.374,103.391 h3
  text "PID" at 70.504,83.535 h3.5
  text "Rec PID" at 125.38,79.023 h3
  text "PWM" at 71.026,61.992 h3
  text "Motor Controller" at 99.489,58.761 h3
  text "Traingular Wave" at 49.293,56.655 h3
  text "Analog Solar Tracker" at 49.282,27.837 h3